# Altium PCB PDM.PcbDoc (part 2 of 4)
Units mm, origin at the board's own origin, x right, y up, seen from the top; angles counter-clockwise.
Board outline 90.17 x 95.89 mm, 6 copper layers (Top Layer (SIG), Layer 1 (GND), Layer 3 (SIG), Layer 4 (PWR), Layer (GND), Bottom Layer (SIG)), stack 0.816 mm thick; 331 components, 196 nets, 1111 pads, 817 vias.
Unrouted connection lines stored in the file: 2.
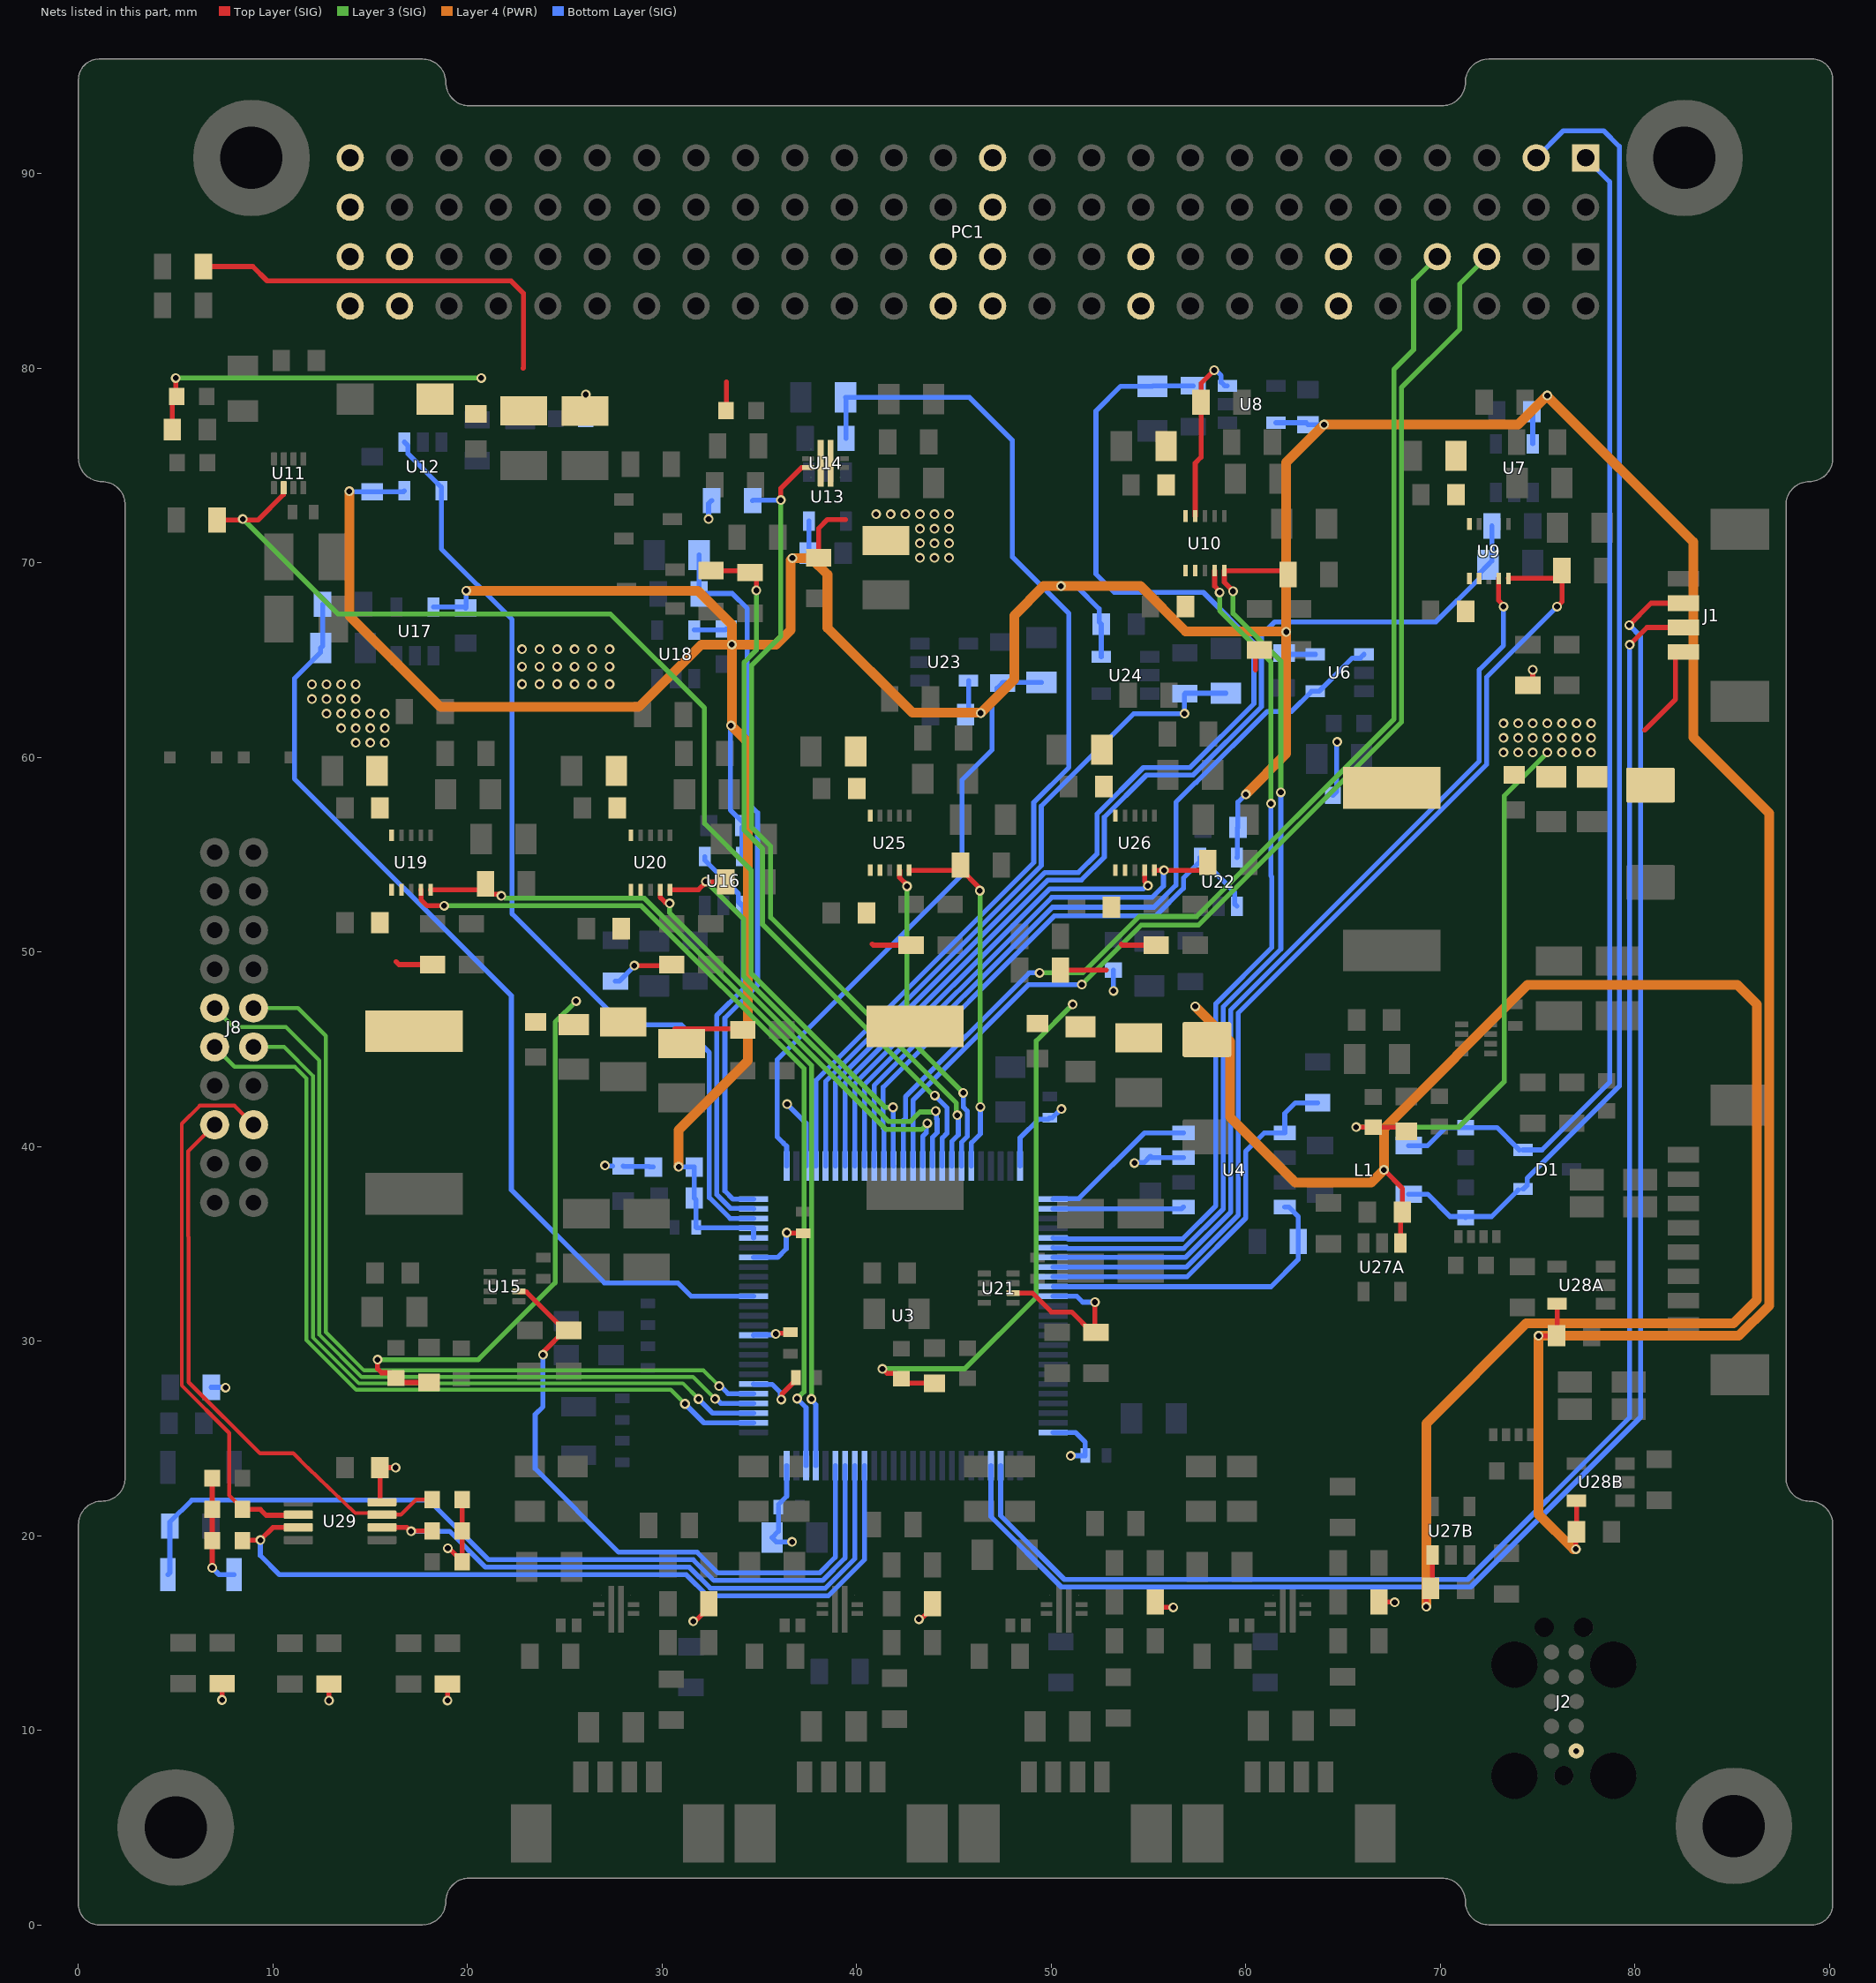
[diagram p6: the nets of this part, all layers, seen from the top]

## Part data (continued)
L2 L4 L5: "Inductor 10 µH , 4.4 A 30.4mOhm Max Shielded Drum Core", Current Rating=4.4A, Distributor Part Number=490-10846-1-ND, Inductance=10uH, Part Number=1274AS-H-100M=P3, Saturation Current=6.2A, DCR=30.4mOhm, Distributor=Digikey
L3: "Inductor 5.6uH 4.5A Shielded 28.5mOhm SMD", Current Rating=4.5A, Distributor Part Number=732-6183-1-ND, Saturation Current=4.6A, DCR=28.5mOhm, Distributor=Digikey, Part Number=744316560
PC1: library part PC104, "PC104 stack header, 2.54mm 4x26positions", Current Rating=6.3A, Distributor Part Number=SSQ-126-21-G-D-ND, Operating Temperature="-55°C ~ 125°C", Voltage Rating (AC)=465V, Voltage Rating (DC)=655V, Distributor=Digikey, Number of Positions=52, Number of Rows=2, Part Number=SSQ-126-21-G-D
Q1 Q2: "N-Channel 60 V 200mA (Ta) 320mW (Ta) Surface Mount SOT-23-3", Distributor Part Number=T2N7002AKLMCT-ND, Drain to Source Voltage=60V, Operating Temperature="-55C - 150C", Power Dissipation (Max)="320mW (Ta)", (Id) @ 25°C=200mA, Distributor=Digikey, Manufacturer Part Number=T2N7002AK,LM, Part Number=T2N7002AK,LM, Rds On (Max) @ Id, Vgs=3.9ohm, Vgs(th) (Max) @ Id="2.1V @ 250µA"
Q3A Q3B: "N-MOSFET 40 V , 85 A, 3.8 mΩ Rds(on) @ 10 V, WDFN-8 3.3×3.3 mm, low Qg (~18 nC)", Current - Continuous Drain (Id)=20A, Distributor Part Number=NTTFS5C454NLTAGOSCT-ND, Manufacturer=Onsemi, Operating Temperature="-55°C ~ 175°C", Part Number=NTTFS5C454NL, Power Dissipation (Max) (Ta)=3.2W, ComponentLink1Description=Datasheet, ComponentLink1URL=https://www.onsemi.com/pdf/datasheet/nttfs5c454nl-d.pdf, Distributor=Digikey, Gate Charge (Qg) (Max) @ Vgs="18nC @ 10V", Rds On (Max)=3.8mOhm, Vdss=40V, Vgs (Max)=20V
R1A R1B R1C R1D R20 R22 R37 R40 R47 R49 R61 R63 R100A R100B R100C R100D: "100 kOhms ±1% 0.125W, 1/8W Chip Resistor 0805 (2012 Metric) Automotive AEC-Q200 Thick Film", Case Code=0805, Distributor Part Number=RMCF0805FG100KCT-ND, Resistance=100K, Tolerance=1%, Distributor=Digikey, Part Number=RMCF0805FG100K
R2A R2B R2C R2D R24 R25: "14 kOhms ±1% 0.125W, 1/8W Chip Resistor 0805 (2012 Metric) Automotive AEC-Q200 Thick Film", Case Code=0805, Distributor Part Number=RMCF0805FT14K0CT-ND, Resistance=14K, Tolerance=1%, Distributor=Digikey, Part Number=RMCF0805FT14K0
R3A R3B R3C R3D R5A R5B R5C R5D R43: "47 kOhms ±1% 0.125W, 1/8W Chip Resistor 0805 (2012 Metric) Automotive AEC-Q200 Thick Film", Case Code=0805, Distributor Part Number=RMCF0805FT47K0CT-ND, Resistance=47K, Tolerance=1%, Distributor=Digikey, Part Number=RMCF0805FT47K0
R4A R4B R4C R4D R8 R9 R33 R70A R70B R73A R73B R84 R85 R86 R87 R88 R89 R90 R91 R92 R93: "10 kOhms ±1% 0.125W, 1/8W Chip Resistor 0805 (2012 Metric) Automotive AEC-Q200 Thick Film", Case Code=0805, Distributor Part Number=RMCF0805FT10K0CT-ND, Resistance=10K, Tolerance=1%, Distributor=Digikey, Part Number=RMCF0805FT10K0
R6A R6B R6C R6D R82: "71.5 kOhms ±1% 0.125W, 1/8W Chip Resistor 0805 (2012 Metric) Automotive AEC-Q200 Thick Film", Case Code=0805, Distributor Part Number=RMCF0805FT71K5CT-ND, Resistance=71K5, Tolerance=1%, Distributor=Digikey, Part Number=RMCF0805FT71K5
R7 R94 R95 R96 R97 R98 R99: "499 Ohms ±1% 0.125W, 1/8W Chip Resistor 0805 (2012 Metric) Automotive AEC-Q200 Thick Film", Case Code=0805, Distributor Part Number=RMCF0805FT499RCT-ND, Resistance=499R, Tolerance=1%, Distributor=Digikey, Part Number=RMCF0805FT499R
R10 R11: "1.2 kOhms ±1% 0.1W, 1/10W Chip Resistor 0603 (1608 Metric) Automotive AEC-Q200 Thick Film", Case Code=0603, Distributor Part Number=RMCF0603FT1K20CT-ND, Resistance=1K2, Tolerance=1%, Distributor=Digikey, Part Number=RMCF0603FT1K20
R12 R13 R14 R38 R65: "120 Ohms ±1% 0.125W, 1/8W Chip Resistor 0805 (2012 Metric) Automotive AEC-Q200 Thick Film", Case Code=0805, Distributor Part Number=738-RMCF0805FT120RCT-ND, Resistance=120R, Tolerance=1%, Distributor=Digikey, Part Number=RMCF0805FT120R
R15: "93.1 kOhms ±1% 0.1W, 1/10W Chip Resistor 0603 (1608 Metric) Automotive AEC-Q200 Thick Film", Case Code=0603, Distributor Part Number=RMCF0603FT93K1CT-ND, Resistance=93K1, Tolerance=1%, Distributor=Digikey, Part Number=RMCF0603FT93K1
R16: "100 kOhms ±1% 0.1W, 1/10W Chip Resistor 0603 (1608 Metric) Automotive AEC-Q200 Thick Film", Case Code=0603, Distributor Part Number=RMCF0603FT100KCT-ND, Resistance=100K, Tolerance=1%, Distributor=Digikey, Part Number=RMCF0603FT100K
R17 R44 R58: "53.6 kOhms ±1% 0.125W, 1/8W Chip Resistor 0805 (2012 Metric) Automotive AEC-Q200 Thick Film", Case Code=0805, Distributor Part Number=RMCF0805FT53K6CT-ND, Resistance=53K6, Tolerance=1%, Distributor=Digikey, Part Number=RMCF0805FT53K6
R18: "31.6 kOhms ±1% 0.1W, 1/10W Chip Resistor 0603 (1608 Metric) Automotive AEC-Q200 Thick Film", Case Code=0603, Distributor Part Number=RMCF0603FT31K6CT-ND, Resistance=31K6, Tolerance=1%, Distributor=Digikey, Part Number=RMCF0603FT31K6
R19 R32 R46 R60 R74 R75 R76 R77 R78 R79 R83: "10 kOhms ±1% 0.1W, 1/10W Chip Resistor 0603 (1608 Metric) Automotive AEC-Q200 Thick Film", Case Code=0603, Distributor Part Number=RMCF0603FT10K0CT-ND, Resistance=10K, Tolerance=1%, Distributor=Digikey, Part Number=RMCF0603FT10K0
R21 R23: "63.4 kOhms ±1% 0.125W, 1/8W Chip Resistor 0805 (2012 Metric) Automotive AEC-Q200 Thick Film", Case Code=0805, Distributor Part Number=RMCF0805FT63K4CT-ND, Resistance=63K4, Tolerance=1%, Distributor=Digikey, Part Number=RMCF0805FT63K4
R26 R27: "18 kOhms ±1% 0.125W, 1/8W Chip Resistor 0805 (2012 Metric) Automotive AEC-Q200 Thick Film", Case Code=0805, Distributor Part Number=RMCF0805FT18K0CT-ND, Resistance=18K0, Tolerance=1%, Distributor=Digikey, Part Number=RMCF0805FT18K0
R28 R56: "174 kOhms ±1% 0.1W, 1/10W Chip Resistor 0603 (1608 Metric) Automotive AEC-Q200 Thick Film", Case Code=0603, Distributor Part Number=RMCF0603FT174KCT-ND, Resistance=174K, Tolerance=1%, Distributor=Digikey, Manufacturer Part Number=RMCF0603FT174K
R29 R42 R57: "332 kOhms ±1% 0.125W, 1/8W Chip Resistor 0805 (2012 Metric) Automotive AEC-Q200 Thick Film", Case Code=0805, Distributor Part Number=RMCF0805FT332KCT-ND, Resistance=332K, Tolerance=1%, Distributor=Digikey, Part Number=RMCF0805FT332K
R30: "100 Ohms ±1% 0.125W, 1/8W Chip Resistor 0805 (2012 Metric) Automotive AEC-Q200 Thick Film", Case Code=0805, Distributor Part Number=RMCF0805FT100RCT-ND, Resistance=100R, Tolerance=1%, Distributor=Digikey, Part Number=RMCF0805FT100R
R31: "59 kOhms ±1% 0.1W, 1/10W Chip Resistor 0603 (1608 Metric) Automotive AEC-Q200 Thick Film", Case Code=0603, Distributor Part Number=RMCF0603FT59K0CT-ND, Resistance=59K, Tolerance=1%, Distributor=Digikey, Part Number=RMCF0603FT59K0
R34: "470 kOhms ±1% 0.1W, 1/10W Chip Resistor 0603 (1608 Metric) Automotive AEC-Q200 Thick Film", Case Code=0603, Distributor Part Number=RMCF0603FT470KCT-ND, Resistance=470K, Tolerance=1%, Distributor=Digikey, Part Number=RMCF0603FT470K
R35 R62 R64: "34.8 kOhms ±1% 0.125W, 1/8W Chip Resistor 0805 (2012 Metric) Automotive AEC-Q200 Thick Film", Case Code=0805, Distributor Part Number=RMCF0805FT34K8CT-ND, Resistance=34K8, Tolerance=1%, Distributor=Digikey, Part Number=RMCF0805FT34K8
R36: "115 kOhms ±1% 0.125W, 1/8W Chip Resistor 0805 (2012 Metric) Automotive AEC-Q200 Thick Film", Case Code=0805, Distributor Part Number=RMCF0805FT115KCT-ND, Resistance=115K, Tolerance=1%, Distributor=Digikey, Part Number=RMCF0805FT115K
R39: "1.21 kOhms ±1% 0.125W, 1/8W Chip Resistor 0805 (2012 Metric) Automotive AEC-Q200 Thick Film", Case Code=0805, Distributor Part Number=RMCF0805FT1K21CT-ND, Resistance=1K21, Tolerance=1%, Distributor=Digikey, Part Number=RMCF0805FT1K21
R41: "29.4 kOhms ±1% 0.125W, 1/8W Chip Resistor 0805 (2012 Metric) Automotive AEC-Q200 Thick Film", Case Code=0805, Distributor Part Number=RMCF0805FT29K4CT-ND, Resistance=29K4, Tolerance=1%, Distributor=Digikey, Part Number=RMCF0805FT29K4
R45: "140 kOhms ±1% 0.1W, 1/10W Chip Resistor 0603 (1608 Metric) Automotive AEC-Q200 Thick Film", Case Code=0603, Distributor Part Number=RMCF0603FT140KCT-ND, Part Number=RMCF0603FT100K, Resistance=140K, Tolerance=1%, Distributor=Digikey
R48 R50: "12.4 kOhms ±1% 0.125W, 1/8W Chip Resistor 0805 (2012 Metric) Automotive AEC-Q200 Thick Film", Case Code=0805, Distributor Part Number=RMCF0805FT12K4CT-ND, Resistance=12K4, Tolerance=1%, Distributor=Digikey, Part Number=RMCF0805FT12K4
R51: "270 Ohms ±1% 0.125W, 1/8W Chip Resistor 0805 (2012 Metric) Automotive AEC-Q200 Thick Film", Case Code=0805, Distributor Part Number=RMCF0805FT270RCT-ND, Resistance=270R, Tolerance=1%, Distributor=Digikey, Part Number=RMCF0805FT270R
R52: "19.6 kOhms ±1% 0.125W, 1/8W Chip Resistor 0805 (2012 Metric) Automotive AEC-Q200 Thick Film", Case Code=0805, Distributor Part Number=RMCF0805FT19K6CT-ND, Resistance=19K6, Tolerance=1%, Distributor=Digikey, Part Number=RMCF0805FT19K6
R53: "6.19 kOhms ±1% 0.125W, 1/8W Chip Resistor 0805 (2012 Metric) Automotive AEC-Q200 Thick Film", Case Code=0805, Distributor Part Number=RMCF0805FT6K19CT-ND, Resistance=6K19, Tolerance=1%, Distributor=Digikey, Part Number=RMCF0805FT6K19
R54: "20 kOhms ±1% 0.125W, 1/8W Chip Resistor 0805 (2012 Metric) Automotive AEC-Q200 Thick Film", Case Code=0805, Distributor Part Number=RMCF0805FT20K0CT-ND, Resistance=20K, Tolerance=1%, Distributor=Digikey, Part Number=RMCF0805FT20K0
R55: "9.1 kOhms ±1% 0.125W, 1/8W Chip Resistor 0805 (2012 Metric) Automotive AEC-Q200 Thick Film", Case Code=0805, Distributor Part Number=738-RMCF0805FT9K10CT-ND, Resistance=9K1, Tolerance=1%, Distributor=Digikey, Part Number=RMCF0805FT9K10
R59: "52.3 kOhms ±1% 0.1W, 1/10W Chip Resistor 0603 (1608 Metric) Automotive AEC-Q200 Thick Film", Case Code=0603, Distributor Part Number=RMCF0603FT174KCT-ND, Resistance=52K3, Tolerance=1%, Distributor=Digikey, Part Number=RMCF0603FT52K3
R66 R67: "9.76 kOhms ±1% 0.125W, 1/8W Chip Resistor 0805 (2012 Metric) Automotive AEC-Q200 Thick Film", Case Code=0805, Distributor Part Number=RMCF0805FT9K76CT-ND, Resistance=9K76, Tolerance=1%, Distributor=Digikey, Part Number=RMCF0805FT9K76
R68 R69: "13 kOhms ±1% 0.125W, 1/8W Chip Resistor 0805 (2012 Metric) Automotive AEC-Q200 Thick Film", Case Code=0805, Distributor Part Number=RMCF0805FT13K0CT-ND, Resistance=13K0, Tolerance=1%, Distributor=Digikey, Part Number=RMCF0805FT13K0
R71A R71B: library part RESC0603, "10 Ohms ±0.05% 0.1W, 1/10W Chip Resistor 0603 (1608 Metric) Automotive AEC-Q200 Thin Film", Case Code=0603, Distributor Part Number=RNCF0603AKT10R0CT-ND, Resistance=10R, Tolerance=0.05%, Distributor=Digikey, Manufacturer Part Number=RNCF0603AKT10R0
R72A R72B: "Resistor, Current Sense 50 mOhms ±0.25% 0.5W, Moisture Resistant Thick Film", Distributor Part Number=273-LVK12R050CERCT-ND, Manufacturer=Ohmite, Power=0.5W, Resistance=50mOhm, Temperature Coefficient=±50ppm/°C, Tolerance=0.25%, Distributor=Digikey, Part Number=LVK12R050CER
R80 R81: "1 kOhms ±1% 0.25W, 1/4W Chip Resistor 0805 (2012 Metric) Anti-Sulfur Thin Film", Case Code=0805, Distributor Part Number=RNCP0805FTD1K00CT-ND, Resistance=1K, Tolerance=1%, Distributor=Digikey, Manufacturer Part Number=RNCP0805FTD1K00
S1 S2: "Tactile Switch SPST-NO Top Actuated Surface Mount", Distributor Part Number=SW1020CT-ND, Operating Temperature="-25°C ~ 70°C", Distributor=Digikey, Part Number=B3U-1000P
U1A U1B U1C U1D: "Ideal Diode 2.7 - 23 V, 5.5 A with Input Reverse Polarity and / Overvoltage Protection", Current Output=5.5A, Distributor Part Number=296-LM73100RPWRCT-ND, Operating Temperature="-40°C ~ 125°C (TJ)", Voltage Supply="2.7V ~ 23V", Distributor=Digikey, Part Number=LM73100RPWR
U3: "ARM® Cortex®-M4 STM32F4 Microcontroller IC 32-Bit 180MHz 1MB (1M x 8) FLASH 100-LQFP (14x14)", Distributor Part Number=497-16769-ND, Operating Temperature="-40°C ~ 105°C (TA)", Voltage - Supply="1.8V ~ 3.6V", Distributor=Digikey, Part Number=STM32F427VGT7, RAM Size=256Kx8, Speed=180MHz
U4: "3.3 V CAN-FD transceiver, CAN/CAN-FD up to 8 Mb/s, ±58 V bus-fault tolerant, SOIC-8", Distributor Part Number=296-TCAN3414DRCT-ND, Operating Temperature="-40°C ~ 125°C", Voltage - Supply="3V ~ 3.6V", Data Rate=8Mbps, Distributor=Digikey, Part Number=TCAN3414DR, Protocol=CANbus
U5 U11 U15 U21: "Buck Switching Regulator IC Positive Adjustable 0.8V 1 Output 3A SOT-583", Current Output=3A, Distributor Part Number=296-TPS62933DRLRCT-ND, Operating Temperature="-40°C ~ 150°C (TJ)", Voltage - Input (Max)=30V, Voltage - Input (Min)=3.8V, Voltage - Output (Max)=22V, Voltage - Output (Min)=0.8V, Distributor=Digikey, Part Number=TPS62933DRLR
U6 U7 U8 U12 U13 U16 U17 U18 U22 U23 U24: "Operational Amplifier, General Purpose, 2.2V~5.5V", Distributor Part Number=497-18084-1-ND, Operating Temperature="-40°C ~ 125°C", Voltage Supply (Max)=5.5V, Voltage Supply (Min)=2.2V, Distributor=Digikey, Gain Bandwidth Product=3MHz, Part Number=TSZ181ILT, Slew Rate=4.7V/us
U9 U10 U19 U20 U25 U26: "2.7-V to 40-V 152-mΩ 1.8-A eFuse with output power limiting", Current - Output=1.8A, Distributor Part Number=296-TPS16410DRCRCT-ND, Operating Temperature="-40C ~ 125C", Package="10-VSON (3x3)", Part Number=TPS16416DRCR, Voltage - Input="2.7V ~ 40V", Distributor=Digikey, Qualification=None
U14: "eFuse 5.5A, 2.7V~23V, 28mOhm, Reverse Current Blocking with Input Reverse Polarity Protection", Distributor Part Number=296-TPS259474LRPWRCT-ND, Operating Temperature="-40°C ~ 125°C", Output Current=5.5A, Voltage Input=2.7V~23V, Distributor=Digikey, Part Number=TPS259474LRPWR
U27A U27B: "Low-Side Gate Driver IC Inverting, Non-Inverting SOT-23-5", Current - Peak Output=4A, Distributor Part Number=296-41038-1-ND, Operating Temperature="-40°C ~ 150°C", Voltage Supply="4.5V ~ 18V", Distributor=Digikey, Part Number=UCC27517AQDBVRQ1, Rise / Fall Time (Typ)="8ns, 7ns", VIH=2.4V, VIL=1V
U28A U28B: "40V Current Sense Amplifier 1 Circuit 8-MSOP", Distributor Part Number=INA139NA/250CT-ND, Operating Temperature="-40°C ~ 125°C", Accuracy=0.5%, Distributor=Digikey, Part Number=INA139NA/250
U29: "Hot-swappable, bidirectional I²C/SMBus bus buffer, 1 V precharge, standard/fast I²C, clock stretching, arbitration, and powered-off high-impedance on bus pins.", Distributor Part Number=296-TCA9511ADGKRCT-ND, Operating Temperature="-40°C ~ 125°C", Delay Time=70ns, Distributor=Digikey, Part Number=TCA9511ADGKR
Y1: "CRYSTAL 32.7680KHZ 12.5PF SMD", Distributor Part Number=2195-CM7VT1A32.768KHZ125PF20PPMTBQAT3CT-ND, Frequency=32.768kHz, Load Capacitance=12.5pF, Operating Temperature="-40°C ~ 125°C", Distributor=Digikey, ESR=70kohm, Part Number=CM7VT1A32.768KHZ125PF20PPMTBQAT3, Qualification=AEC-Q200
Y2: "Crystals 12.0 MHZ 18PF 20PPM 120OHM", Distributor Part Number=732-830069882CT-ND, Frequency=12MHz, Load Capacitance=10pF, Operating Temperature="-40C to 125C", Distributor=Digikey, ESR=100R, Part Number=830069882

## Via types
v1: diameter 0.5, hole 0.3, Top Layer (SIG) to Bottom Layer (SIG), tented both sides, 785 vias
v2: diameter 0.5, hole 0.3, Top Layer (SIG) to Bottom Layer (SIG), 32 vias

## Nets (pads, with @x,y where several pads share a name; then routed paths per layer and width w, separated by ;. In a path a pad name is that pad's centre, name@x,y a point inside that pad or via, vN(x,y) a via of type N, cw(c..) or ccw(c..) an arc to the next point about the centre after c; other vN are vias at no path point)
3V3_AUX_IOCP: R27.2 U8.3 U10.9 | length 9.1
  Top Layer (SIG) w0.254: U10.9@57.4,72.4 57.4,75.125 57.7,75.425 R27.2@57.7,78.25 57.7,79.225 v1(58.375,79.9)
  Bottom Layer (SIG) w0.254: v1(58.375,79.9) 58.422,79.853 58.513,79.853 58.737,79.628 58.737,79.283 58.92,79.1 U8.3@59.05,79.1
3V3_CH1_EN: R92.2 U3.58 U9.5 | length 53.6
  Top Layer (SIG) w0.254: U9.5@73.5,69.2 75.927,69.2 76.25,69.523 R92.2@76.25,69.6 76.25,68 v1(76,67.75)
  Bottom Layer (SIG) w0.254: U3.58@50.1,33.8 56.936,33.8 59.616,36.48 59.616,46.873 72.384,59.641 72.384,64.134 v1(76,67.75)
3V3_CH1_IMON: C7.2 R7.2 U3.32 | length 53.9
  Bottom Layer (SIG) w0.254: U3.32@39.4,39 39.4,43.262 49.838,53.7 51.556,53.7 52.731,54.875 52.731,56.93 54.894,59.093 57.293,59.093 60.802,62.602 60.802,66.271 61.49,66.959 69.766,66.959 72.027,69.22 72.027,69.47 C7.2@72.45,69.893 72.65,70.093 R7.2@72.65,71.893
3V3_CH1_nFLT: U3.57 U9.4 | length 48.6
  Top Layer (SIG) w0.254: U9.4@73,69.2 73,68.067 73.25,67.817 v1(73.25,67.75)
  Bottom Layer (SIG) w0.254: U3.57@50.1,34.3 56.893,34.3 59.232,36.639 59.232,47.032 72,59.8 72,64.5 73.25,65.75 v1(73.25,67.75)
3V3_CH2_EN: R93.2 U3.56 U10.5 | length 48.2
  Top Layer (SIG) w0.254: v1@59.35,68.55 58.9,69 U10.5@58.9,69.6 61.975,69.6 R93.2@62.175,69.4
  Layer 3 (SIG) w0.254: v1(59.345,68.534) 59.345,67.398 61.8,64.943 v1(61.8,58.2)
  Bottom Layer (SIG) w0.254: U3.56@50.1,34.8 50.123,34.777 50.843,34.777 50.858,34.763 56.812,34.763 58.848,36.798 58.848,47.191 61.8,50.143 v1(61.8,58.2)
3V3_CH2_IMON: C8.2 R94.2 U3.31 | length 61.7
  Bottom Layer (SIG) w0.254: U3.31@38.9,39 38.9,43.305 49.679,54.084 51.397,54.084 52.347,55.034 52.347,57.089 54.735,59.477 57.134,59.477 60.418,62.761 60.418,65.882 57.82,68.48 53.247,68.48 52.3,69.427 52.3,77.8 53.575,79.075 C8.2@55.2,79.075 55.225,79.1 R94.2@57.3,79.1
3V3_CH2_nFLT: U3.55 U10.4 | length 44.1
  Top Layer (SIG) w0.254: U10.4@58.4,69.6 58.4,68.8 58.656,68.544 v1(58.656,68.477)
  Layer 3 (SIG) w0.254: v1(58.656,68.477) 58.656,67.544 61.293,64.907 v1(61.293,57.619)
  Bottom Layer (SIG) w0.254: U3.55@50.1,35.3 50.123,35.277 50.839,35.277 50.872,35.244 56.751,35.244 58.455,36.949 58.455,47.342 61.341,50.227 61.341,53.866 61.293,53.914 v1(61.293,57.619)
3V3_VMON: U3.35 U6.1 U6.4 | length 41
  Bottom Layer (SIG) w0.254: U3.35@40.9,39 40.9,43.133 50.067,52.3 55.283,52.3 56.409,53.426 56.409,53.966 56.417,53.974 56.417,54.394 56.409,54.401 56.409,57.69 57.428,58.709 57.452,58.709 61.1,62.357 62.349,62.357 63.385,63.393 U6.4@63.575,63.393 63.765,63.393 65.482,65.11 65.892,65.11 U6.1@66.075,65.293
5V_CH1_EN: R90.2 U3.45 U25.5 | length 18.6
  Top Layer (SIG) w0.254: U25.5@42.7,54.2 44.999,54.2 R90.2@45.125,54.326 ; R90.2@45.333,54.466 45.333,54.266 46.278,53.321 46.278,53.197 v1(46.325,53.15)
  Layer 3 (SIG) w0.254: v1(46.325,53.15) 46.342,53.133 46.342,42.049 v1(46.359,42.032)
  Bottom Layer (SIG) w0.254: U3.45@45.9,39 45.9,40.189 46.359,40.647 v1(46.359,42.032)
5V_CH1_IMON: C93.2 R98.2 U3.26 | length 31.8
  Bottom Layer (SIG) w0.254: U3.26@36.4,39 36.4,40.019 36.251,40.168 36.241,40.168 35.918,40.491 35.918,44.468 45.425,53.975 45.425,58.85 46.95,60.375 46.95,62.875 47.216,63.141 47.216,63.551 R98.2@47.488,63.823 ; R98.2@47.5,63.823 47.527,63.85 C93.2@49.5,63.85
5V_CH1_nFLT: U3.44 U25.4 | length 16.8
  Top Layer (SIG) w0.254: U25.4@42.2,54.2 42.207,54.193 42.207,53.823 42.587,53.443 v1(42.587,53.377)
  Layer 3 (SIG) w0.254: v1(42.587,53.377) 42.587,45.657 v1(45.484,42.761)
  Bottom Layer (SIG) w0.254: U3.44@45.4,39 45.4,40.232 45.682,40.514 45.682,41.82 45.484,42.018 v1(45.484,42.761)
5V_CH2_EN: R91.2 U3.34 U26.5 | length 27.6
  Top Layer (SIG) w0.254: U26.5@55.3,54.2 57.727,54.2 58.05,54.523 R91.2@58.05,54.6
  Bottom Layer (SIG) w0.254: U3.34@40.4,39 40.4,43.176 50.025,52.801 55.185,52.801 55.77,53.386 55.77,54.17 v1(55.8,54.2)
5V_CH2_IMON: C94.2 R99.2 U3.30 | length 35.6
  Bottom Layer (SIG) w0.254: U3.30@38.4,39 38.4,43.348 49.486,54.435 49.486,57.491 54.246,62.25 v1(56.85,62.25) 56.85,63.25 R99.2@56.875,63.275 56.9,63.3 C94.2@58.975,63.3
5V_CH2_nFLT: U3.33 U26.4 | length 24.2
  Top Layer (SIG) w0.254: U26.4@54.807,54.027 54.807,53.627 54.965,53.469 v1(54.965,53.402)
  Bottom Layer (SIG) w0.254: U3.33@39.9,39 39.9,43.219 49.927,53.246 54.742,53.246 54.898,53.402 v1(54.965,53.402)
5V_CONV_EN: R87.2 U3.61 U21.2 | length 8.9
  Top Layer (SIG) w0.254: U21.2@48.04,32.475 49.025,32.475 50,31.5 51.05,31.5 52.1,30.45 R87.2@52.3,30.45 52.25,30.5 v1(52.25,32)
  Bottom Layer (SIG) w0.254: U3.61@50.1,32.3 51.32,32.3 51.619,32.001 52.249,32.001 v1(52.25,32)
5V_VMON: U3.36 U22.1 U22.4 | length 28.9
  Bottom Layer (SIG) w0.254: U3.36@41.4,39 41.4,40.905 41.362,40.943 41.362,43.052 50.165,51.855 55.382,51.855 56.793,53.267 56.793,53.803 U22.4@57.65,54.66 ; U22.4@57.65,54.85 U22.4@57.65,54.66 ; U22.1@59.55,52.35 59.43,52.47 59.43,53.07 58.023,54.477 57.833,54.477 U22.4@57.65,54.66
6V_CH1_EN: R30.2 R85.2 U3.42 | length 37.4
  Top Layer (SIG) w0.254: R30.2@32.516,69.6 34.416,69.6 R85.2@34.516,69.5 34.518,69.5 34.841,69.177 v1(34.841,68.584)
  Layer 3 (SIG) w0.254: v1(34.841,68.584) 34.841,65.509 34.216,64.884 34.216,56.253 35.167,55.302 35.167,51.411 43.955,42.622 v1(44.014,42.622)
  Bottom Layer (SIG) w0.254: v1(44.014,42.622) 44.639,41.997 44.639,40.677 44.4,40.438 U3.42@44.4,39
6V_CH1_IMON: C10.2 R95.2 U3.29 | length 55.5
  Bottom Layer (SIG) w0.254: U3.29@37.9,39 37.9,43.392 49.102,54.594 49.102,57.685 50.907,59.49 50.907,67.393 48,70.3 48,76.3 45.8,78.5 C10.2@39.425,78.5 39.45,78.475 R95.2@39.45,76.4
6V_CH1_PG: R37.1 U3.43 U14.3 | length 43.3
  Top Layer (SIG) w0.254: v1@36.1,73.25 36.1,73.83 37.16,74.889 37.498,74.889 U14.3@37.5,74.891
  Layer 3 (SIG) w0.254: v1(36.096,73.228) 36.096,66.221 34.6,64.725 34.6,56.412 35.578,55.434 35.578,51.775 45.128,42.225 45.128,41.657 v1(45.175,41.61)
  Bottom Layer (SIG) w0.254: R37.1@34.65,73.2 34.678,73.228 v1(36.096,73.228) ; U3.43@44.9,39 44.9,40.275 45.222,40.597 45.222,41.563 v1(45.175,41.61)
6V_CONV_EN: R84.2 U3.37 U11.2 | length 59.9
  Top Layer (SIG) w0.254: R84.2@7.125,72.2 9.23,72.2 10.527,73.497 10.527,73.837 U11.2@10.55,73.86
  Layer 3 (SIG) w0.254: v1(8.45,72.25) 13.325,67.375 27.336,67.375 32.175,62.536 32.175,56.6 34.575,54.2 34.575,48.903 41.471,42.007 v1@41.86,42.007
  Bottom Layer (SIG) w0.254: v1(41.869,42.015) 41.885,41.999 41.885,39.015 U3.37@41.9,39
6V_VMON: U3.23 U12.1 U12.4 | length 49.8
  Bottom Layer (SIG) w0.254: U12.1@16.75,76.2 16.933,76.017 16.933,75.607 18.65,73.89 18.65,70.72 22.293,67.077 22.293,51.957 27.99,46.26 30.99,46.26 32.425,44.825 32.425,37.373 33.492,36.306 34.694,36.306 U3.23@34.7,36.3
12V_CH1_EN: R88.2 U3.97 U19.5 | length 44.3
  Top Layer (SIG) w0.254: U19.5@18.1,53.2 20.602,53.2 R88.2@20.925,53.5 20.925,53.3 21.248,52.977 21.576,52.977 21.671,52.882 v1(21.738,52.882)
  Layer 3 (SIG) w0.254: v1(21.738,52.882) 21.804,52.882 21.927,52.759 29.09,52.759 37.676,44.173 37.676,27.03 v1@37.673,27.027
  Bottom Layer (SIG) w0.254: v1(37.675,27.025) 37.675,26.958 37.9,26.733 U3.97@37.9,23.6
12V_CH1_IMON: C91.2 R96.2 U3.15 | length 50
  Bottom Layer (SIG) w0.254: R96.2@12.55,67.875 12.55,65.725 C91.2@12.45,65.625 12.45,65.4 11.1,64.05 11.1,58.9 22.25,47.75 22.25,37.774 27.031,32.993 30.807,32.993 31.5,32.3 U3.15@34.7,32.3
12V_CH1_nFLT: U3.98 U19.4 | length 44.5
  Top Layer (SIG) w0.254: U19.4@17.6,53.2 17.607,53.193 17.607,52.693 17.925,52.375 v1(18.8,52.375)
  Layer 3 (SIG) w0.254: v1(18.8,52.375) 28.931,52.375 37.292,44.014 37.292,27.396 v1(36.944,27.047)
  Bottom Layer (SIG) w0.254: v1(36.944,27.047) 36.944,27.039 37.4,26.583 U3.98@37.4,23.6
12V_CH2_EN: R89.2 U3.41 U20.5 | length 24.9
  Top Layer (SIG) w0.254: U20.5@30.4,53.2 31.875,53.2 32.275,53.6 R89.2@33.275,53.6
  Layer 3 (SIG) w0.254: v1(32.25,53.625) 34.191,51.684 34.191,48.744 41.642,41.293 42.775,41.293 43.258,41.775 44.015,41.775 v1(44.063,41.822)
  Bottom Layer (SIG) w0.254: U3.41@43.9,39 43.9,40.481 44.134,40.715 44.134,41.406 44.11,41.43 44.11,41.775 v1(44.063,41.822)
12V_CH2_IMON: C92.2 R97.2 U3.25 | length 37.3
  Bottom Layer (SIG) w0.254: C92.2@31.9,70.4 R97.2@31.9,68.4 31.925,68.425 33.6,68.425 34.378,67.647 34.378,57.685 34.907,57.156 34.907,48.291 33.225,46.609 33.225,37.713 33.638,37.3 U3.25@34.7,37.3
12V_CH2_nFLT: U3.40 U20.4 | length 21.6
  Top Layer (SIG) w0.254: U20.4@29.907,53.027 29.907,52.943 29.91,52.94 29.91,52.798 30.161,52.547 30.338,52.547 v1(30.385,52.5)
  Layer 3 (SIG) w0.254: v1(30.385,52.5) 30.385,52.007 41.517,40.875 43.333,40.875 43.627,41.168 v1(43.627,41.196)
  Bottom Layer (SIG) w0.254: U3.40@43.4,39 43.4,40.524 43.58,40.704 43.58,41.149 v1(43.627,41.196)
12V_CONV_EN: R86.2 U3.95 U15.2 | length 33.8
  Top Layer (SIG) w0.254: U15.2@22.64,32.55 22.663,32.527 23.023,32.527 R86.2@25,30.55 ; v1(23.875,29.299) 23.922,29.346 23.922,29.472 R86.2@25,30.55 ; R86.2@25.2,30.55 R86.2@25,30.55
  Bottom Layer (SIG) w0.254: v1(23.875,29.299) 23.875,26.633 23.475,26.233 23.475,23.446 27.771,19.15 31.8,19.15 32.866,18.084 38.091,18.084 38.9,18.893 U3.95@38.9,23.6
12V_VMON: U3.24 U16.1 U16.4 | length 20.9
  Bottom Layer (SIG) w0.254: U16.4@32.2,54.9 32.2,54.71 33.917,52.993 33.917,52.583 U16.1@34.1,52.4 34.175,52.325 34.175,48.102 32.809,46.736 32.809,37.532 33.518,36.823 34.677,36.823 U3.24@34.7,36.8
+3V3: C6.2 C12.2 C13.2 C14.2 C15.2 C16.2 C17.2 C18.2 C19.2 C31.1 C32.2 C33.2 C34.2 C35.2 C36.2 C38.2 C90.2 FB1.1 J1.1 J2.1 L2.2 R3A.2 R3B.2 R3C.2 R3D.2 R9.2 R12.2 R13.2 R14.2 R15.2 R18.2 R20.2 R22.2 R37.2 R74.2 R75.2 R76.2 R77.2 R78.2 R79.2 S1.1 U3.6 U3.11 U3.19 U3.28 U3.50 U3.75 U3.100 U4.3 U9.1 U9.2 U10.1 U10.2 U29.8 | length 89.8
  Top Layer (SIG) w0.254: v1(6.875,18.35) R76.2@6.875,19.749 ; R76.2@6.876,19.75 R79.2@6.876,21.35 R74.2@6.876,22.95 ; R12.2@7.371,12.409 R12.2@7.38,12.4 v1(7.38,11.559) ; R14.2@12.866,12.375 12.875,12.366 v1(12.875,11.525) ; U29.8@15.6,21.725 15.588,21.725 15.5,21.813 C90.2@15.5,23.5 v1(16.3,23.5) v1@16.35,23.45 ; R13.2@18.957,12.384 R13.2@18.966,12.375 v1(18.966,11.534) ; v1(18.984,19.357) 19.031,19.31 19.102,19.31 19.724,18.687 R77.2@19.724,18.65 R75.2@19.724,20.25 R78.2@19.724,21.85 ; v1(31.6,15.6) 31.7,15.6 32.4,16.3 R3A.2@32.4,16.5 ; v1(35.843,30.369) 35.884,30.409 36.559,30.409 C12.2@36.6,30.45 ; v1(36.125,27) 36.172,27.047 36.172,27.297 36.875,28 C13.2@36.875,28.125 ; v1(36.407,35.575) 36.423,35.559 37.227,35.559 C18.2@37.243,35.543 ; v1(43.2,15.7) 43.247,15.747 43.347,15.747 43.9,16.3 R3B.2@43.9,16.5 ; R3C.2@55.35,16.6 55.35,16.4 55.43,16.32 v1(56.273,16.32) ; 60.5,64.5 60.5,65.325 R22.2@60.7,65.525 ; v1(65.676,41.001) R18.2@66.55,41.001 68.024,41.001 C35.2@68.25,40.775 ; R3D.2@66.85,16.6 67.625,16.6 v1(67.65,16.575) ; R20.2@74.5,63.7 74.75,63.95 v1(74.75,64.5) ; 80.5,61.4 82.086,62.986 82.086,65.311 J1.1@82.2,65.425
  Layer 3 (SIG) w0.254: v1(65.676,41.001) 70.953,41.001 73.28,43.328 73.28,58.022 v1@75.5,60.242
  Bottom Layer (SIG) w0.254: R9.2@6.825,27.625 7.55,27.625 v1@7.575,27.6 ; v1(6.875,18.35) 7.225,18 S1.1@8,18 ; v1(27.069,39.025) 27.096,38.998 27.45,38.998 ; C6.2@28,39 28.025,38.975 29.325,38.975 29.35,38.95 FB1.1@29.55,38.95 ; v1(32.387,72.249) 32.387,73.037 R37.2@32.55,73.2 ; U3.6@34.7,27.8 34.723,27.777 35.652,27.777 36.078,27.351 36.078,27.047 v1(36.125,27) ; U3.11@34.7,30.3 34.723,30.323 35.797,30.323 v1(35.843,30.369) ; U3.19@34.7,34.3 35.938,34.3 36.381,34.743 36.381,35.548 v1(36.407,35.575) ; C15.2@35.975,21.475 35.975,20.225 C19.2@35.65,19.9 35.866,19.684 v1(36.681,19.684) ; C15.2@35.975,21.6 36.4,22.025 U3.100@36.4,23.6 ; v1(36.425,42.175) 37.4,41.2 U3.28@37.4,39 ; U3.50@48.4,39 48.4,40.45 49.347,41.397 49.847,41.397 C14.2@49.925,41.475 50.05,41.475 50.5,41.925 v1(50.525,41.925) ; U3.75@50.1,25.3 51.25,25.3 51.75,24.8 C17.2@51.75,24.125 51.738,24.112 51.012,24.112 v1(51,24.1) ; v1(54.275,39.15) 54.302,39.177 54.777,39.177 C16.2@55.1,39.5 55.165,39.435 U4.3@56.795,39.435 ; R15.2@64.476,58.043 64.674,58.241 64.674,60.774 v1(64.7,60.8)
  other v1: 76.985,8.935 7.562,27.613 73.25,60.25 74,60.25 74.75,60.25 75.5,60.25 76.25,60.25 77,60.25 77.75,60.25 73.25,61 74,61 74.75,61 75.5,61 76.25,61 77,61 77.75,61 73.25,61.75 74,61.75 74.75,61.75 75.5,61.75 76.25,61.75 77,61.75 77.75,61.75
+3V3_CH1: C103.2 C125.2 PC1.B11 PC1.B12 U9.10
+3V3_CH2: C102.2 C124.2 PC1.B19 PC1.B20 U10.10
+3V3A: C4.2 C5.2 C89A.2 C89B.2 C111.2 C112.2 C113.2 C114.2 C115.2 C116.2 C117.2 C118.2 C119.2 C120.2 C121.2 FB1.2 U3.21 U3.22 U6.5 U7.5 U8.5 U12.5 U13.5 U16.5 U17.5 U18.5 U22.5 U23.5 U24.5 U28A.5 U28B.5 | length 273.3
  Top Layer (SIG) w0.254: v1(75.05,30.275) C89A.2@75.975,30.275 76,30.3 U28A.5@76,31.925 ; v1(76.966,19.313) 76.966,20.166 C89B.2@77,20.2 U28B.5@77,21.8
  Layer 4 (PWR) w0.5: v1(13.925,73.675) 13.925,67.275 18.6,62.6 28.815,62.6 32.018,65.803 v1(33.586,65.803) ; v1(19.934,68.565) 31.835,68.565 33.586,66.814 v1(33.586,65.803) ; v1(30.85,38.955) 30.85,40.85 34.4,44.4 34.4,60.774 v1(33.539,61.635) 33.586,61.682 v1(33.586,65.803) ; v1(60,58.1) 62.083,60.183 v1(62.083,66.452) ; v1(76.966,19.313) 76.837,19.313 75.05,21.1 v1(75.05,30.275) 85.341,30.275 86.897,31.831 86.897,57.124 83,61.021 83,71.066 75.5,78.566 v1(75.5,78.6) 74,77.1 v1(64.025,77.1) 62.083,75.158 62.083,66.539 v1(62.083,66.452) ; v1(33.586,65.803) 33.603,65.786 35.859,65.786 36.612,66.54 36.612,70.156 v1(36.699,70.243) 37.657,70.243 38.5,69.4 38.5,66.66 42.858,62.303 46.344,62.303 v1(46.372,62.275) 48.1,64.003 48.1,67.293 49.607,68.8 v1(50.5,68.8) 54.594,68.8 56.914,66.48 62.055,66.48 v1(62.083,66.452)
  Bottom Layer (SIG) w0.25: v1@33.5,61.6 33.5,57.3 34.2,56.6 C116.2@34.2,56.5 34.1,56.4 U16.5@34.1,54.9 ; U22.5@59.55,54.85 59.575,54.875 59.575,56.375 C119.2@59.6,56.4 59.6,57.7 v1(60,58.1)
  Bottom Layer (SIG) w0.254: v1@13.9,73.7 13.95,73.65 C111.2@15.1,73.65 16.7,73.65 U12.5@16.75,73.7 ; U17.5@18.25,67.725 19.85,67.725 C117.2@19.9,67.675 19.934,67.709 v1(19.934,68.565) ; v1(30.85,38.955) 31.645,38.955 FB1.2@31.65,38.95 C4.2@31.65,37.35 31.75,37.25 C5.2@31.75,35.85 31.777,35.823 34.677,35.823 U3.22@34.7,35.8 U3.21@34.7,35.3 ; U18.5@31.65,66.55 33.25,66.55 C118.2@33.3,66.6 ; C118.2@33.5,66.4 33.586,66.314 v1(33.586,65.803) ; v1(36.699,70.243) C112.2@37.396,70.243 ; C112.2@37.5,70.5 37.55,70.55 U13.5@37.55,72.15 ; C120.2@45.6,62.2 C120.2@45.675,62.275 ; U23.5@45.75,63.95 45.75,62.35 C120.2@45.675,62.275 ; v1(46.372,62.275) C120.2@45.675,62.275 ; v1(50.5,68.8) 50.547,68.753 51.344,68.753 52.465,67.632 52.465,66.96 C121.2@52.575,66.85 52.572,66.847 U24.5@52.572,65.175 ; U8.5@61.55,77.2 63.1,77.2 C114.2@63.2,77.1 v1(64.025,77.1) ; C113.2@61.975,65.368 62.083,65.476 v1(62.083,66.452) ; C113.2@62.275,65.293 U6.5@63.575,65.293 ; U7.5@74.75,76.118 74.75,77.718 C115.2@74.7,77.768 74.715,77.783 74.715,77.815 v1(75.5,78.6)
+5V: C77.1 C78.2 C79.2 C80.2 C81.2 C82.2 C83.2 C88A.2 C88B.2 L5.2 R56.2 R59.2 R61.2 R63.2 R65.2 U25.1 U25.2 U26.1 U26.2 U27A.1 U27B.1 | length 127.5
  Top Layer (SIG) w0.254: 40.8,50.4 40.85,50.35 R61.2@42.8,50.35 ; v1(41.325,28.575) 41.564,28.336 42.027,28.336 R59.2@42.3,28.063 42.526,27.837 C81.2@44,27.837 ; R65.2@50.475,49.075 52.825,49.075 ; 53.6,50.4 53.65,50.35 R63.2@55.4,50.35 ; v1(67.1,38.8) 68.05,37.85 C88A.2@68.05,36.625 67.95,36.525 U27A.1@67.95,35.05 ; v1(69.275,16.35) 69.275,17.075 C88B.2@69.5,17.3 69.6,17.4 U27B.1@69.6,19
  Layer 3 (SIG) w0.254: v1(41.325,28.575) 41.328,28.578 45.553,28.578 49.231,32.255 49.231,45.431 v1(51.1,47.3)
  Layer 4 (PWR) w0.5: v1(57.4,47.2) 59.2,45.4 59.2,41.5 62.545,38.155 66.455,38.155 v1(67.1,38.8) 67.1,40.912 74.488,48.3 85.272,48.3 86.267,47.305 86.267,32.108 85.063,30.905 74.405,30.905 69.275,25.775 v1(69.275,16.35)
  Bottom Layer (SIG) w0.254: v1(53.2,48) R56.2@53.2,49.076
+5V5: C48.2 C49.2 C50.2 C51.2 L3.2 R28.2 R31.2 R34.2 R38.2 U14.5 | length 42.1
  Top Layer (SIG) w0.254: C51.2@4.825,76.85 4.825,78.324 R31.2@5.051,78.55 5,78.601 v1(5,79.5) ; R38.2@6.425,85.228 8.963,85.228 9.701,84.49 22.235,84.49 22.875,83.85 22.875,80.025 22.85,80 ; R34.2@33.29,77.818 33.3,77.818 33.3,79.3
  Layer 3 (SIG) w0.254: v1(5,79.5) v1(20.7,79.5)
  Bottom Layer (SIG) w0.254: R28.2@26.074,77.4 v1@26.074,78.649
  other v1: 26.075,78.65
+5V_CH1: C107.2 C122.2 PC1.B27 PC1.B28 U25.10
+5V_CH2: C108.2 C123.2 PC1.A25 PC1.A26 PC1.B25 PC1.B26 U26.10
+6V_CH1: C104.2 PC1.B49 PC1.B50 R40.2 U14.6 | length 3.1
  Top Layer (SIG) w0.254: R40.2@38.05,70.266 38.05,71.775 38.5,72.225 39.425,72.225
  other v1: 43.25,70.25 44,70.25 44.75,70.25 43.25,71 44,71 44.75,71 43.25,71.75 44,71.75 44.75,71.75 41,72.5 41.75,72.5 42.5,72.5 43.25,72.5 44,72.5 44.75,72.5
+12V: C60.2 C61.2 C62.2 C63.2 C64.2 C65.2 C66.2 L4.2 R42.2 R45.2 R47.2 R49.2 R51.2 U19.1 U19.2 U20.1 U20.2 | length 37.8
  Top Layer (SIG) w0.254: v1(15.375,29.05) 15.375,28.575 15.577,28.373 16.052,28.373 R45.2@16.325,28.1 16.551,27.875 C64.2@18.025,27.875 ; 16.325,49.5 16.475,49.35 R47.2@18.2,49.35 ; v1@28.6,49.3 30.45,49.3 R49.2@30.5,49.35 ; 30.65,46.05 34.1,46.05 R51.2@34.15,46
  Layer 3 (SIG) w0.254: v1(15.375,29.05) 20.55,29.05 24.5,33 24.5,46.4 v1(25.577,47.477)
  Bottom Layer (SIG) w0.254: R42.2@27.6,48.5 27.8,48.5 28.575,49.275 v1(28.575,49.3)
+12V_CH1: C105.2 C109.2 PC1.A51 PC1.A52 U19.10
  other v1: 14.25,60.75 15,60.75 15.75,60.75 13.5,61.5 14.25,61.5 15,61.5 15.75,61.5 12.75,62.25 13.5,62.25 14.25,62.25 15,62.25 15.75,62.25 12,63 12.75,63 13.5,63 14.25,63 12,63.75 12.75,63.75 13.5,63.75 14.25,63.75
+12V_CH2: C106.2 C110.2 PC1.B51 PC1.B52 U20.10
  other v1: 22.8,63.762 23.7,63.762 24.6,63.762 25.5,63.762 26.4,63.762 27.3,63.762 22.8,64.662 23.7,64.662 24.6,64.662 25.5,64.662 26.4,64.662 27.3,64.662 22.8,65.562 23.7,65.562 24.6,65.562 25.5,65.562 26.4,65.562 27.3,65.562
BMS_nCE: J8.11 U3.2 | length 43.6
  Layer 3 (SIG) w0.2: J8.11@7,45.118 8.018,44.1 11.121,44.1 11.721,43.5 11.721,30.051 14.271,27.501 30.449,27.501 v1(31.175,26.775)
  Bottom Layer (SIG) w0.254: v1(31.175,26.775) 32.15,25.8 U3.2@34.7,25.8
BMS_nINT: J8.10 U3.5 | length 42.8
  Layer 3 (SIG) w0.2: J8.10@9,47.118 11.282,47.118 12.711,45.689 12.711,30.461 14.681,28.491 32.129,28.491 v1(32.931,27.689)
  Bottom Layer (SIG) w0.254: v1(32.931,27.689) 32.997,27.689 33.386,27.3 U3.5@34.7,27.3
BMS_nQON: J8.12 U3.3 | length 41.4
  Layer 3 (SIG) w0.2: J8.12@9,45.118 10.57,45.118 12.051,43.637 12.051,30.188 14.408,27.831 31.069,27.831 v1(31.875,27.025)
  Bottom Layer (SIG) w0.254: v1@31.875,27.022 32.597,26.3 U3.3@34.7,26.3
BMS_nSTAT: J8.9 U3.4 | length 44.4
  Layer 3 (SIG) w0.2: J8.9@7,47.118 7.98,46.138 10.662,46.138 12.381,44.419 12.381,30.325 14.545,28.161 31.59,28.161 v1(32.719,27.032)
  Bottom Layer (SIG) w0.254: v1(32.719,27.032) 32.786,27.032 33.018,26.8 U3.4@34.7,26.8
BMS_SCL: R76.1 U3.92 U29.3 | length 41.5
  Top Layer (SIG) w0.254: R76.1@8.424,19.75 8.45,19.775 v1(9.35,19.775) 10,20.425 U29.3@11.3,20.425
  Bottom Layer (SIG) w0.254: v1(9.35,19.775) 9.349,18.978 10.329,17.998 31.235,17.998 32.318,16.915 38.551,16.915 40.4,18.764 U3.92@40.4,23.6
BMS_SCL_BUFF: J8.16 R79.1 U29.2 | length 28.2
  Top Layer (SIG) w0.2: R79.1@8.188,21.63 8.182,21.63 8.124,21.687 8.124,21.693 7.75,22.068 7.75,25.278 5.31,27.719 5.31,41.172 6.236,42.098 8.02,42.098 J8.16@9,41.118
  Top Layer (SIG) w0.254: R79.1@8.424,21.35 9.35,21.35 9.65,21.05 11.275,21.05 U29.2@11.3,21.075
BMS_SDA: R75.1 U3.93 U29.6 | length 32.1
  Top Layer (SIG) w0.254: U29.6@15.6,20.425 16.875,20.425 17.05,20.25 R75.1@18.176,20.25
  Bottom Layer (SIG) w0.254: v1(17.1,20.225) 19.075,20.225 20.918,18.382 31.394,18.382 32.477,17.299 38.392,17.299 39.9,18.807 U3.93@39.9,23.6
BMS_SDA_BUFF: J8.15 R78.1 U29.7 | length 29.4
  Top Layer (SIG) w0.2: J8.15@7,41.118 5.64,39.758 5.64,35.384 5.667,35.356 5.667,27.891 9.328,24.231 11.045,24.231 11.795,23.481 14.23,21.163 14.95,21.163 U29.7@15.6,21.075 16.575,21.075 17.35,21.85 R78.1@18.176,21.85
BOOT0: R8.2 S1.2 U3.94 | length 44.8
  Bottom Layer (SIG) w0.254: S1.2@4.6,18 4.7,18.1 4.7,20.7 5.825,21.825 18.018,21.825 21.074,18.769 27.608,18.769 27.611,18.766 31.599,18.766 32.665,17.7 38.25,17.7 39.4,18.85 U3.94@39.4,23.6
CAN_RX: U3.51 U4.4 | length 8.1
  Bottom Layer (SIG) w0.254: U3.51@50.1,37.3 50.123,37.323 51.423,37.323 54.805,40.705 U4.4@56.795,40.705
CAN_SHDN: R80.2 U3.59 U4.5 | length 19.9
  Bottom Layer (SIG) w0.254: U3.59@50.1,33.3 56.979,33.3 60,36.321 60,39.75 60.955,40.705 U4.5@62.005,40.705 62.005,41.705 62.55,42.25 R80.2@63.7,42.25
CAN_STB: R81.2 U3.60 U4.8 | length 16.3
  Bottom Layer (SIG) w0.254: U3.60@50.102,32.798 61.298,32.798 62.699,34.199 R81.2@62.699,35.122 62.699,36.401 62.205,36.895 U4.8@62.005,36.895
CAN_TX: U3.52 U4.1 | length 6.7
  Bottom Layer (SIG) w0.254: U3.52@50.1,36.8 56.7,36.8 U4.1@56.795,36.895
CANH: D1.1 L1.4 PC1.A3 R10.2 | length 67.6
  Bottom Layer (SIG) w0.254: L1.4@68.375,37.55 69.35,37.55 70.5,36.4 R10.2@71.251,36.4 ; R10.2@71.3,36.351 R10.2@71.251,36.4 ; D1.1@74.002,37.767 72.635,36.4 R10.2@71.251,36.4 ; D1.1@74.25,37.825 74.284,37.825 74.467,38.008 74.467,38.367 79.202,43.102 79.202,91.398 78.4,92.2 76.32,92.2 PC1.A3@74.93,90.81
CANL: D1.2 L1.3 PC1.A1 R11.1 | length 60.5
  Bottom Layer (SIG) w0.254: L1.3@68.375,40.05 69.35,40.05 70.274,40.974 R11.1@71.3,40.974 72.911,40.974 D1.2@74.06,39.825 ; D1.2@74.25,39.825 75.225,39.825 78.7,43.3 78.7,89.58 PC1.A1@77.47,90.81
DEBUG_RX: J1.3 U3.79 | length 85
  Top Layer (SIG) w0.254: v1(79.709,66.8) 80.834,67.925 J1.3@82.2,67.925
  Bottom Layer (SIG) w0.254: U3.79@46.9,23.6 46.9,20.986 50.52,17.366 71.566,17.366 80.296,26.096 80.296,66.212 v1(79.709,66.8)
DEBUG_TX: J1.2 U3.78 | length 82.3
  Top Layer (SIG) w0.254: v1(79.736,65.788) 80.623,66.675 J1.2@82.2,66.675
  Bottom Layer (SIG) w0.254: U3.78@47.4,23.6 47.4,21.029 50.679,17.75 71.407,17.75 79.736,26.08 v1(79.736,65.788)
EPS_RX/OBC_TX: PC1.B7 U3.38 | length 61.4
  Layer 3 (SIG) w0.254: v1(49.4,48.925) 51.625,48.925 54.525,51.825 57.476,51.825 67.616,61.965 67.616,79.939 68.628,80.951 68.628,84.508 PC1.B7@69.85,85.73
  Bottom Layer (SIG) w0.254: U3.38@42.4,39 42.4,41.337 42.508,41.444 42.508,42.558 48.874,48.925 v1(49.4,48.925)
EPS_TX/OBC_RX: PC1.B5 U3.39 | length 62.3
  Layer 3 (SIG) w0.254: v1(51.575,48.325) 51.575,48.332 54.618,51.375 57.569,51.375 68,61.806 68,79 71,82 71,84.34 PC1.B5@72.39,85.73
  Bottom Layer (SIG) w0.254: U3.39@42.9,39 42.9,41.69 42.892,41.699 42.892,42.378 48.838,48.325 v1(51.575,48.325)